# Altium PCB PCB.PcbDoc (part 1 of 2) (continued)
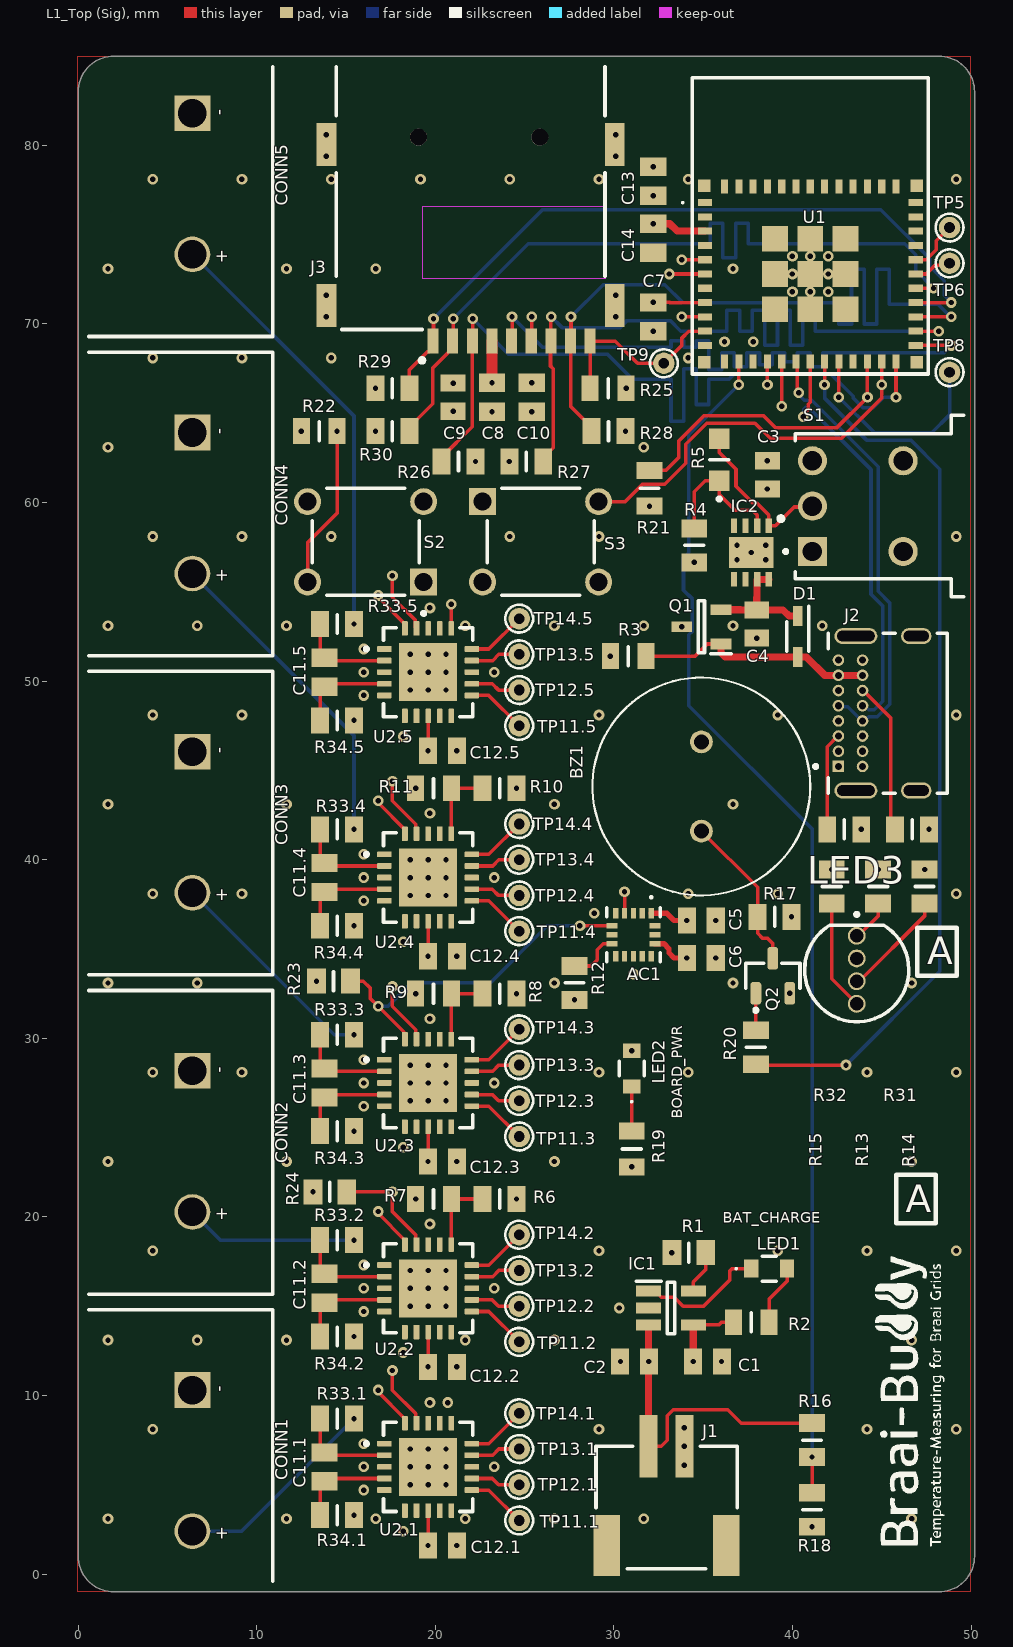
[diagram p0: L1_Top (Sig) view]
## Design rules (kind name [scope] priority, off if disabled: settings)
BoardOutlineClearance [All] p1: gap=0.5 ignorepadtopadclearanceinfootprint=FALSE
Clearance [All] p1: gap=0.2 ignorepadtopadclearanceinfootprint=TRUE
DiffPairsRouting [All] p1: maxlimit=0.2 minlimit=0.127 mostfreqgap=0.127 toplayer_mingap=0.2 toplayer_prefgap=0.2 toplayer_minwidth=0.2 toplayer_maxwidth=0.2 toplayer_prefwidth=0.2 midlayer1_maxgap=0.127 midlayer1_minwidth=0.102 midlayer1_maxwidth=0.102 midlayer1_prefwidth=0.102 midlayer2_maxgap=0.127 midlayer2_minwidth=0.106 midlayer2_maxwidth=0.106 midlayer2_prefwidth=0.106 midlayer3_maxgap=0.127 midlayer3_minwidth=0.106 midlayer3_maxwidth=0.106 midlayer3_prefwidth=0.106 midlayer4_maxgap=0.127 midlayer4_minwidth=0.102 midlayer4_maxwidth=0.102 midlayer4_prefwidth=0.102 bottomlayer_mingap=0.2 bottomlayer_prefgap=0.2 bottomlayer_minwidth=0.2 bottomlayer_maxwidth=0.2 bottomlayer_prefwidth=0.2 impedanceprofiledriven=TRUE impedanceprofileid={3237DE83-E1D8-4AAE-8E44-1EA370374EB8} impedanceprofilevalue=90.000000 maxuncoupledlength=12.7
HoleSize [All] p1: absolutevalues=TRUE maxlimit=2.54 minlimit=0.3 maxpercent=80.000 minpercent=20.000
MatchedLengths [InNetClass('SD Card')] p1: tolerance=5 checknetsindiffpair=FALSE checkdiffpairvsdiffpair=TRUE checkxsignals=TRUE checkothers=TRUE
MinimumSolderMaskSliver [All] p1: minsoldermaskwidth=0.05
PlaneClearance [All] p1: clearance=0.3
PolygonConnect [All] p1: connectstyle=Direct reliefconductorwidth=0.254 reliefentries=4 polygonreliefangle="90 Angle" airgapwidth=0.254
PolygonConnect PolygonConnect_1 [All vs IsNamedPolygon('NONET_L01_P-001')] p2: connectstyle=Relief reliefconductorwidth=0.35 reliefentries=4 polygonreliefangle="90 Angle" airgapwidth=0.254
RoutingVias [All] p1: holewidth=0.3 width=0.6 viastyle="Through Hole" minholewidth=0.3 minwidth=0.6 maxholewidth=1 maxwidth=1.5
SMDEntry [All] p1 off: side=TRUE corner=FALSE anyangle=FALSE
SMDToCorner [All] p1 off: distance=78740
SMDToPlane [All] p1: distance=0
SilkToSilkClearance [All] p1: silktosilkclearance=0
SilkToSolderMaskClearance [IsPad] p1: minsilkscreentomaskgap=0.1 clearancetoexposedcopper=TRUE
SolderMaskExpansion [IsVia] p1: expansion=0.102 istentingtop=TRUE
SolderMaskExpansion SolderMaskExpansion_Pads [All] p2: expansion=0.05 istentingtop=FALSE
SupplyNets "Schematic Supply Nets" [InNet('3.3V')] p1: voltage=0.000
SupplyNets "Schematic Supply Nets_4" [InNet('V_USB')] p2: voltage=0.000
SupplyNets "Schematic Supply Nets_3" [InNet('V_BATT')] p3: voltage=0.000
SupplyNets "Schematic Supply Nets_2" [InNet('GND')] p4: voltage=0.000
Width [All] p1: maxlimit=5 minlimit=0.2 preferedwidth=0.2
24 further rules are at their usual default settings.

## Classes and differential pairs
net class "SD Card": SD_CLK SD_CMD SD_D0 SD_D1 SD_D2 SD_D3
channel class 04.2_Thermocouple_Handling_01: "Temp_Handling_ CH1" "Temp_Handling_ CH2" "Temp_Handling_ CH3" "Temp_Handling_ CH4" "Temp_Handling_ CH5"
component class "Temp_Handling_ CH5": C11.5 C12.5 R33.5 R34.5 TP11.5 TP12.5 TP13.5 TP14.5 U2.5
component class "Temp_Handling_ CH4": C11.4 C12.4 R33.4 R34.4 TP11.4 TP12.4 TP13.4 TP14.4 U2.4
component class "Temp_Handling_ CH3": C11.3 C12.3 R33.3 R34.3 TP11.3 TP12.3 TP13.3 TP14.3 U2.3
component class "Temp_Handling_ CH2": C11.2 C12.2 R33.2 R34.2 TP11.2 TP12.2 TP13.2 TP14.2 U2.2
component class "Temp_Handling_ CH1": C11.1 C12.1 R33.1 R34.1 TP11.1 TP12.1 TP13.1 TP14.1 U2.1
component class "Temperature Sensor Interface": CONN1 CONN2 CONN3 CONN4 CONN5 R6 R7 R8 R9 R10 R11
component class HMI: BZ1 D2 D3 LED2 LED3 Q2 R13 R14 R15 R16 R17 R18 R19 R20
component class "Accelerometer Interface": AC1 C5 C6 R12
component class "Power Management": C1 C2 C3 C4 D1 IC1 IC2 J1 LED1 Q1 R1 R2 R3 R4 R5 S1
component class Microcontroller: C7 C8 C9 C10 C13 C14 J2 J3 R21 R22 R23 R24 R25 R26 R27 R28 R29 R30 R31 R32 S2 S3 TP5 TP6 TP8 TP9 U1
differential pair USB: +USB_P -USB_N

## Components (designator, comment, footprint, x,y, rotation, side; value= is the part's Value field where it differs from the comment)
AC1 "LIS3DHTR" LIS3DHTR 31.1,35.8 r270 top
BZ1 "Buzzer" 3XDCR_PS1240P02CT3 34.9,44.1 r90 top
C1 "10uF" CAPC2012X94N 35.24,11.9 r180 top
C2 "10uF" CAPC2012X94N 31.16,11.9 r0 top
C3 "2.2uF" CAPC2012X135N 38.6,61.55 r270 top
C4 "2.2uF" CAPC2012X135N 38,53.2 r270 top
C5 "10uF" CAPC2012X94N 34.9,36.6 r180 top
C6 "100nF" CAPC2012X94N 34.9,34.5 r180 top
C7 "100nF" CAPC2012X94N 32.2,70.4 r90 top
C8 "100nF" CAPC2012X94N 23.176,65.9 r90 top
C9 "2.2uF" CAPC2012X135N 21,65.9 r270 top
C10 "10uF" CAPC2012X94N 25.4,65.9 r270 top
C11.1 "100nF" CAPC2012X94N 13.8,6 r90 top (schematic designator C11)
C11.2 "100nF" CAPC2012X94N 13.8,16 r90 top (schematic designator C11)
C11.3 "100nF" CAPC2012X94N 13.8,27.5 r90 top (schematic designator C11)
C11.4 "100nF" CAPC2012X94N 13.8,39 r90 top (schematic designator C11)
C11.5 "100nF" CAPC2012X94N 13.8,50.5 r90 top (schematic designator C11)
C12.1 "100nF" CAPC2012X94N 20.4,1.6 r0 top (schematic designator C12)
C12.2 "100nF" CAPC2012X94N 20.4,11.6 r0 top (schematic designator C12)
C12.3 "100nF" CAPC2012X94N 20.4,23.1 r0 top (schematic designator C12)
C12.4 "100nF" CAPC2012X94N 20.4,34.6 r0 top (schematic designator C12)
C12.5 "100nF" CAPC2012X94N 20.4,46.1 r0 top (schematic designator C12)
C13 "10uF" CAPC2012X94N 32.2,77.99 r90 top
C14 "100nF" CAPC2012X94N 32.2,74.8 r90 top
CONN1 "XE-1139-001" "AM-K PCB XE-1139-001" 6.4,10.3 r270 top
CONN2 "XE-1139-001" "AM-K PCB XE-1139-001" 6.4,28.175 r270 top
CONN3 "XE-1139-001" "AM-K PCB XE-1139-001" 6.4,46.05 r270 top
CONN4 "XE-1139-001" "AM-K PCB XE-1139-001" 6.4,63.925 r270 top
CONN5 "XE-1139-001" "AM-K PCB XE-1139-001" 6.4,81.8 r270 top
D1 "DIODE SCHOTTKY 1A 23V 620mV SMD" SOD2512X113N 40.3,52.5 r270 top
IC1 "MCP73831" SOT95P270X145-5N 33.2,14.9 r0 top
IC2 "TPS785-Q1" SON65P300X300X100-9N-D 37.7,57.2 r270 top
J1 "I/O JST-PH 2-PIN SMT" 1769 32.95,7.15 r0 top
J2 "CONN USB-C 2.0 16 CONTACT 5A 42V SMD" CUI_UJ20-C-H-G-SMT-TR 46.6,48.2 r90 top
J3 "MEM2075-00-140-01-A" GCT_MEM2075-00-140-01-A 22.456,80.462 r180 top
LED1 "LED YELLOW 0805 SMD" LYM676Q2S126Z 38.7,17.1 r0 top
LED2 "LED YELLOW 0805 SMD" LYM676Q2S126Z 31,28.3 r90 top
LED3 "LED RGB THP SRAIGHT-LEG" "LED THP Dialight 521-8559F" 43.6,35.74 r0 top
Q1 "MOSFET P-CH ENH FET -20V 52mOh -5A SMD" SOT96P240X115-3N 34.9,53.04 r180 top
Q2 "3904" SOT95P230X110-3N 38.9,33.5 r90 top
R1 "2.2K" RESC2012X70N 34.2,18 r0 top
R2 "4.7K" RESC2012X50N 37.7,14.1 r180 top
R3 "100k" RESC2012X50N 30.8,51.4 r0 top
R4 "200k" RESC2012X60N 34.5,57.6 r270 top
R5 "357k" ERJ6ENF1000V 35.9,62.4 r90 top
R6 "220k" RESC2012X60N 23.6,21 r0 top
R7 "100k" RESC2012X50N 19.9,21 r180 top
R8 "76.8k" RESC2012X60N 23.6,32.5 r0 top
R9 "100k" RESC2012X50N 19.9,32.5 r180 top
R10 "23.2k" RESC2012X60N 23.6,44 r0 top
R11 "100k" RESC2012X50N 19.9,44 r180 top
R12 "10k" RESC2012X60N 27.8,33.1 r270 top
R13 "1k" RESC2012X60N 44.8,38.5 r90 top
R14 "1k" RESC2012X60N 47.4,38.5 r90 top
R15 "1k" RESC2012X60N 42.2,38.5 r90 top
R16 "200k" RESC2012X60N 41.1,7.5 r90 top
R17 "1k" RESC2012X60N 39,36.8 r0 top
R18 "200k" RESC2012X60N 41.1,3.6 r90 top
R19 "4.7K" RESC2012X50N 31,23.8 r90 top
R20 "1k" RESC2012X60N 37.95,29.5 r90 top
R21 "100k" RESC2012X50N 32,60.8 r270 top
R22 "100k" RESC2012X50N 13.5,64 r180 top
R23 "2.2K" RESC2012X70N 14.3,33.2 r180 top
R24 "2.2K" RESC2012X70N 14.1,21.4 r0 top
R25 "100k" RESC2012X50N 29.676,66.4 r0 top
R26 "10k" RESC2012X60N 21.3,62.3 r180 top
R27 "10k" RESC2012X60N 25.1,62.3 r0 top
R28 "10k" RESC2012X60N 29.7,64 r180 top
R29 "10k" RESC2012X60N 17.6,66.4 r0 top
R30 "10k" RESC2012X60N 17.6,64 r0 top
R31 "5.1k" RESC2012X60N 46.7,41.7 r180 top
R32 "5.1k" RESC2012X60N 42.9,41.7 r180 top
R33.1 "100" RESC2012X60N 14.5,8.7 r180 top (schematic designator R33)
R33.2 "100" RESC2012X60N 14.5,18.7 r180 top (schematic designator R33)
R33.3 "100" RESC2012X60N 14.5,30.2 r180 top (schematic designator R33)
R33.4 "100" RESC2012X60N 14.5,41.7 r180 top (schematic designator R33)
R33.5 "100" RESC2012X60N 14.5,53.2 r180 top (schematic designator R33)
R34.1 "100" RESC2012X60N 14.5,3.3 r180 top (schematic designator R34)
R34.2 "100" RESC2012X60N 14.5,13.3 r180 top (schematic designator R34)
R34.3 "100" RESC2012X60N 14.5,24.8 r180 top (schematic designator R34)
R34.4 "100" RESC2012X60N 14.5,36.3 r180 top (schematic designator R34)
R34.5 "100" RESC2012X60N 14.5,47.8 r180 top (schematic designator R34)
S1 "SWITCH SPDT 3A 120V" SW_500ASSP1M6QE 46.2,59.8 r90 top
S2 "BUTT PUSH N/O SPST THP 50mA" SW_TS02-66-43-BK-100-LCR-D 16.1,57.8 r180 top
S3 "BUTT PUSH N/O SPST THP 50mA" SW_TS02-66-43-BK-100-LCR-D 25.9,57.8 r0 top
TP5 "" TP_Pad_TH_1.2P_0.6H 48.8,75.4 r90 top
TP6 "" TP_Pad_TH_1.2P_0.6H 48.8,73.4 r90 top
TP8 "" TP_Pad_TH_1.2P_0.6H 48.8,67.3 r90 top
TP9 "" TP_Pad_TH_1.2P_0.6H 32.8,67.8 r90 top
TP11.1 "" TP_Pad_TH_1.2P_0.6H 24.7,3 r90 top (schematic designator TP11)
TP11.2 "" TP_Pad_TH_1.2P_0.6H 24.7,13 r90 top (schematic designator TP11)
TP11.3 "" TP_Pad_TH_1.2P_0.6H 24.7,24.5 r90 top (schematic designator TP11)
TP11.4 "" TP_Pad_TH_1.2P_0.6H 24.7,36 r90 top (schematic designator TP11)
TP11.5 "" TP_Pad_TH_1.2P_0.6H 24.7,47.5 r90 top (schematic designator TP11)
TP12.1 "" TP_Pad_TH_1.2P_0.6H 24.7,5 r0 top (schematic designator TP12)
TP12.2 "" TP_Pad_TH_1.2P_0.6H 24.7,15 r0 top (schematic designator TP12)
TP12.3 "" TP_Pad_TH_1.2P_0.6H 24.7,26.5 r0 top (schematic designator TP12)
TP12.4 "" TP_Pad_TH_1.2P_0.6H 24.7,38 r0 top (schematic designator TP12)
TP12.5 "" TP_Pad_TH_1.2P_0.6H 24.7,49.5 r0 top (schematic designator TP12)
TP13.1 "" TP_Pad_TH_1.2P_0.6H 24.7,7 r90 top (schematic designator TP13)
TP13.2 "" TP_Pad_TH_1.2P_0.6H 24.7,17 r90 top (schematic designator TP13)
TP13.3 "" TP_Pad_TH_1.2P_0.6H 24.7,28.5 r90 top (schematic designator TP13)
TP13.4 "" TP_Pad_TH_1.2P_0.6H 24.7,40 r90 top (schematic designator TP13)
TP13.5 "" TP_Pad_TH_1.2P_0.6H 24.7,51.5 r90 top (schematic designator TP13)
TP14.1 "" TP_Pad_TH_1.2P_0.6H 24.7,9 r90 top (schematic designator TP14)
TP14.2 "" TP_Pad_TH_1.2P_0.6H 24.7,19 r90 top (schematic designator TP14)
TP14.3 "" TP_Pad_TH_1.2P_0.6H 24.7,30.5 r90 top (schematic designator TP14)
TP14.4 "" TP_Pad_TH_1.2P_0.6H 24.7,42 r90 top (schematic designator TP14)
TP14.5 "" TP_Pad_TH_1.2P_0.6H 24.7,53.5 r90 top (schematic designator TP14)
U1 "ESP32-C6-MINI-1" ESP32C6MINI1H8 41,75.5 r0 top
U2.1 "MCP9600" QFN65P500X500X100-21N 19.6,6 r0 top (schematic designator U2)
U2.2 "MCP9600" QFN65P500X500X100-21N 19.6,16 r0 top (schematic designator U2)
U2.3 "MCP9600" QFN65P500X500X100-21N 19.6,27.5 r0 top (schematic designator U2)
U2.4 "MCP9600" QFN65P500X500X100-21N 19.6,39 r0 top (schematic designator U2)
U2.5 "MCP9600" QFN65P500X500X100-21N 19.6,50.5 r0 top (schematic designator U2)

## Footprints (in the part's own frame and the unit in brackets; to place one, negate y for a bottom-side part, rotate by r counter-clockwise, add the part's x,y. Pads: shape width x height; smd on the part's side, far side on the other; paste and mask are expansions set on the pad)
3XDCR_PS1240P02CT3 [mm]
  round 1.28 hole 0.85: 1(-2.5,0) 2(2.5,0)
  silkscreen extent -6.1,-6.1 6.1,6.1, body extent -6.07,-6.09 6.13,6.11, height 3.5
1769 [mm]
  rect 1x3.5 smd: 1(-1,0) 2(1,0)
  rect 1.5x3.4 smd: 3(-3.35,-5.55) 4(3.35,-5.55)
  silkscreen extent -3.95,-6.85 3.95,0, body extent -3.95,-7.07 3.95,1.53, height 4.8
"AM-K PCB XE-1139-001" [mm]
  rect 2x2 hole 1.6: 1(0,0)
  round 2 hole 1.6: 2(7.9,0)
  silkscreen extent -4.5,-5.8 10.7,4.5, body extent -4.4,-16.26 12.2,4.25, height 8
CAPC2012X94N [mm]
  rect 1.02x1.47 smd: 1(-0.81,0) 2(0.81,0)
  body extent -1,-0.63 1,0.63, height 0.94
CAPC2012X135N [mm]
  rect 0.96x1.39 smd: 1(-0.79,0) 2(0.79,0)
  body extent -1,-0.63 1,0.63, height 1.35
CUI_UJ20-C-H-G-SMT-TR [mm]
  rect 0.65x0.65 / inner round 0.65 / far side rect 0.65x0.65 hole 0.4: A1(-2.975,4.025)
  round 0.65 hole 0.4: A4(-2.125,4.025) A5(-1.275,4.025) A6(-0.425,4.025) A7(0.425,4.025) A8(1.275,4.025) A9(2.125,4.025) A12(2.975,4.025) B1(2.975,2.675) B4(2.125,2.675) B5(1.275,2.675) B6(0.425,2.675) B7(-0.425,2.675) B8(-1.275,2.675) B9(-2.125,2.675) B12(-2.975,2.675)
  oval 0.9x1.7 hole 0.6 slot 1.4 at 90 deg: SH1(-4.325,-0.335) SH2(4.325,-0.335)
  oval 0.9x2.4 hole 0.6 slot 2.1 at 90 deg: SH3(-4.325,3.045) SH4(4.325,3.045)
  silkscreen extent -4.48,-2.07 4.48,5.4, body extent -4.51,-4.57 4.51,4.6, height 3.46
ERJ6ENF1000V [mm]
  rect 1.15x1.15 smd: 1(-1.175,0) 2(1.175,0)
  silkscreen extent -2.3,-0.53 0,0.53, body extent -1,-0.63 1,0.63, height 0.6
ESP32C6MINI1H8 [mm]
  rect 0.7x0.7 smd: 1(-5.95,-7.65) 1(-5.95,2.25) 1(5.95,-7.65) 1(5.95,2.25)
  rect 0.8x0.4 smd: 1(-5.9,-6.7) 1(-5.9,0.5) 1(-5.9,1.3) 3(-5.9,-0.3) 4(-5.9,-1.1) 5(-5.9,-1.9) 6(-5.9,-2.7) 7(-5.9,-3.5) 8(-5.9,-4.3) 9(-5.9,-5.1) 10(-5.9,-5.9) 25(5.9,-6.7) 26(5.9,-5.9) 27(5.9,-5.1) 28(5.9,-4.3) 29(5.9,-3.5) 30(5.9,-2.7) 31(5.9,-1.9) 32(5.9,-1.1) 33(5.9,-0.3) 34(5.9,0.5) 35(5.9,1.3)
  rect 0.4x0.8 smd: 1(-4.8,2.2) 1(-4,2.2) 1(-3.2,-7.6) 1(-3.2,2.2) 1(-2.4,2.2) 1(-1.6,2.2) 1(-0.8,2.2) 1(0,2.2) 1(0.8,2.2) 1(1.6,2.2) 1(2.4,2.2) 1(3.2,2.2) 1(4,2.2) 1(4.8,2.2) 12(-4.8,-7.6) 13(-4,-7.6) 15(-2.4,-7.6) 16(-1.6,-7.6) 17(-0.8,-7.6) 18(0,-7.6) 19(0.8,-7.6) 20(1.6,-7.6) 21(2.4,-7.6) 22(3.2,-7.6) 23(4,-7.6) 24(4.8,-7.6)
  rect 1.45x1.45 smd: 1(-1.975,-4.675) 1(-1.975,-2.7) 1(-1.975,-0.725) 1(0,-4.675) 1(0,-2.7) 1(0,-0.725) 1(1.975,-4.675) 1(1.975,-2.7) 1(1.975,-0.725)
  silkscreen extent -7.2,-8.3 6.6,8.3, body extent -6.6,-8.3 6.6,8.3, height 2.55
GCT_MEM2075-00-140-01-A [mm]
  rect 0.62x1.4 smd: P1(2.58,11.42) P2(1.48,11.42) P3(0.38,11.42) P4(-0.72,11.42) P5(-1.82,11.42) P6(-2.92,11.42) P7(-4.02,11.42) P8(-5.12,11.42) P9(-6.22,11.42)
  rect 1.1x2.4 smd: SH1(-7.6,0.42) SH2(-7.6,9.42) SH3(8.55,9.42) SH4(8.55,0.42)
  round 0.95 hole 0.95 unplated: ""(-3.4,0) ""(3.4,0)
  Keep-Out Layer region: 3.15,3.87 -7.05,3.87 -7.05,7.92 3.15,7.92
  silkscreen extent -7.05,-3.94 8,12.62, body extent -7.74,-4.25 8.7,11.6, height 1.45
"LED THP Dialight 521-8559F" [mm]
  round 1 hole 0.75 paste-2539.97 mask+0: 1(0,0) 2(0,-1.27) 3(0,-2.54) 4(0,-3.81)
  silkscreen extent -2.92,-4.81 2.92,1.3, body extent -0.25,-6.4 17.35,2.14, height 16.26
LIS3DHTR [mm]
  rect 0.6x0.3 smd: 1(-1.2,1) 2(-1.2,0.5) 3(-1.2,0) 4(-1.2,-0.5) 5(-1.2,-1) 9(1.2,-1) 10(1.2,-0.5) 11(1.2,0) 12(1.2,0.5) 13(1.2,1)
  rect 0.3x0.6 smd: 6(-0.5,-1.2) 7(0,-1.2) 8(0.5,-1.2) 14(0.5,1.2) 15(0,1.2) 16(-0.5,1.2)
  silkscreen extent -2.16,-1.5 1.5,1.5, body extent -1.5,-1.5 1.5,1.5, height 1
LYM676Q2S126Z [mm]
  rect 0.8x1 smd: 1(-1,0) 2(1,0)
  silkscreen extent -1.9,-0.7 0.4,0.7, body extent -1,-0.7 1,0.7, height 1.5
QFN65P500X500X100-21N [mm]
  rrect25% 0.81x0.32 smd: 1(-2.45,1.3) 2(-2.45,0.65) 3(-2.45,0) 4(-2.45,-0.65) 5(-2.45,-1.3) 11(2.45,-1.3) 12(2.45,-0.65) 13(2.45,0) 14(2.45,0.65) 15(2.45,1.3)
  rrect25% 0.32x0.81 smd: 6(-1.3,-2.45) 7(-0.65,-2.45) 8(0,-2.45) 9(0.65,-2.45) 10(1.3,-2.45) 16(1.3,2.45) 17(0.65,2.45) 18(0,2.45) 19(-0.65,2.45) 20(-1.3,2.45)
  round 0.5 hole 0.3: 21(-1,-1) 21(-1,0) 21(-1,1) 21(0,-1) 21(0,0) 21(0,1) 21(1,-1) 21(1,0) 21(1,1)
  rect 3.25x3.25 smd paste-3: 21(0,0)
  silkscreen extent -3.56,-2.5 2.5,2.5, body extent -2.55,-2.55 2.55,2.55, height 1
RESC2012X50N [mm]
  rect 0.95x1.45 smd: 1(-1,0) 2(1,0)
  silkscreen extent 0,-0.53 0,0.52, body extent -1,-0.62 1,0.63, height 0.45
RESC2012X60N [mm]
  rect 1x1.45 smd: 1(-0.95,0) 2(0.95,0)
  silkscreen extent 0,-0.53 0,0.53, body extent -1,-0.63 1,0.63, height 0.5
RESC2012X70N [mm]
  rect 1.05x1.4 smd: 1(-0.95,0) 2(0.95,0)
  silkscreen extent 0,-0.53 0,0.52, body extent -1,-0.63 1,0.63, height 0.7
SOD2512X113N [mm]
  rect 1.11x0.55 smd: 1(-1.14,0) 2(1.14,0)
  silkscreen extent -1.7,-0.61 0.83,0.61, body extent -1.25,-0.62 1.25,0.62, height 1.13
SON65P300X300X100-9N-D [mm]
  rect 0.8x0.35 smd: 1(-1.5,0.975) 2(-1.5,0.325) 3(-1.5,-0.325) 4(-1.5,-0.975) 5(1.5,-0.975) 6(1.5,-0.325) 7(1.5,0.325) 8(1.5,0.975)
  rect 1.75x2.5 smd: 9(0,0)
  silkscreen extent -2.02,1.53 -1.78,1.78, body extent -1.55,-1.5 1.55,1.5, height 1
SOT95P230X110-3N [mm]
  rrect50% 1.26x0.61 smd: B(-0.98,0.95) C(0.98,0) E(-0.98,-0.95)
  silkscreen extent -2.03,-1.53 0.7,1.53, body extent -1.2,-1.46 1.2,1.46, height 1.2
SOT95P270X145-5N [mm]
  rect 1.4x0.6 smd: 1(-1.25,0.95) 2(-1.25,0) 3(-1.25,-0.95) 4(1.25,-0.95) 5(1.25,0.95)
  silkscreen extent -1.95,-1.45 0.2,1.5, body extent -1.35,-1.45 1.35,1.45, height 1.45
SOT96P240X115-3N [mm]
  rect 1.15x0.6 smd: 1(-1.1,0.96) 2(-1.1,-0.96) 3(1.1,0)
  silkscreen extent -1.67,-1.45 0.18,1.51, body extent -1.2,-1.45 1.2,1.45, height 1.15
SW_500ASSP1M6QE [mm]
  rect 1.635x1.635 hole 1.09: 1(-2.54,5.08)
  round 1.635 hole 1.09: 2(0,5.08) 3(2.54,5.08) S1(-2.54,0) S2(2.54,0)
  silkscreen extent -5.08,-3.4 5.08,6.68, body extent -5.08,-8.05 5.08,6.05, height 5.59
SW_TS02-66-43-BK-100-LCR-D [mm]
  rect 1.508x1.508 / inner round 1.508 / far side rect 1.508x1.508 hole 1: 1(-3.25,2.25)
  round 1.508 hole 1: 2(3.25,2.25) 3(-3.25,-2.25) 4(3.25,-2.25)
  silkscreen extent -3.35,-3 3,4.1, body extent -3.95,-3 3.95,3, height 4.3
TP_Pad_TH_1.2P_0.6H [mm]
  round 1.2 hole 0.6 paste-2539.97 mask+0: TP(0,0)
  silkscreen extent -0.78,-0.78 0.78,0.78

## Part data
AC1: library part "IC ACC MEMS 3-AXIS 11uA SMD", "Accelerometer", ComponentLink1Description=Datasheet, ComponentLink1URL=https://www.mouser.co.za/datasheet/2/389/lis3dh-1849589.pdf, Manufacturer_Part_Number=LIS3DHTR
BZ1: library part "INDICATOR BUZZER PIEZO PS1240P02CT3", "Buzzers Transducer, Externally Driven Piezo 3V 4kHz 60dB @ 3V, 10cm Through Hole PC Pins", Manufacturer_Part_Number=PS1240P02CT3, ComponentLink1Description=Datasheet, ComponentLink1URL=https://product.tdk.com/system/files/dam/doc/product/sw_piezo/sw_piezo/piezo-buzzer/catalog/piezoelectronic_buzzer_ps_en.pdf
C1 C2 C5 C10 C13: library part "CAP CER 10uF 0805 SMD", "Capacitor", Manufacturer_Part_Number=CL21A106KOQNNNE, ComponentLink1Description=Datasheet, ComponentLink1URL=https://www.mouser.co.za/datasheet/2/585/MLCC-1837944.pdf
C3 C4 C9: library part "CAP CER 2u2F 0805 SMD", "Capacitor", Manufacturer_Part_Number=LMK212BJ225MG-T
C6 C7 C8 C11.1 C11.2 C11.3 C11.4 C11.5 C12.1 C12.2 C12.3 C12.4 C12.5 C14: library part "CAP CER 100nF 0805 SMD", "Capacitor", Manufacturer_Part_Number=08055C104KAZ2A, ComponentLink1Description=Datasheet, ComponentLink1URL=http://datasheets.avx.com/X7RDielectric.pdf
CONN1 CONN2 CONN3 CONN4 CONN5: library part "CONN AM-K-PCB XE-1139-001", "Thermocouple Type-K Connector", ComponentLink1Description=Datasheet, ComponentLink1URL=https://mm.digikey.com/Volume0/opasdata/d220001/medias/docus/6465/XE-1139-001.pdf, Manufacturer_Part_Number=XE-1139-001, Supplier=DigiKey
D1: "Diode", Manufacturer_Part_Number=BAT20JFILM, ComponentLink1Description=Datasheet, ComponentLink1URL=http://www.st.com/web/en/resource/technical/document/datasheet/CD00012201.pdf
IC1: library part "IC BATT CHG MGNT Li-Po 4V2 REG SMD", "Integrated Circuit", Manufacturer_Part_Number=MCP73831T-2ACI/OT, ComponentLink1Description=Datasheet, ComponentLink1URL=http://ww1.microchip.com/downloads/en/DeviceDoc/20001984g.pdf
IC2: library part "IC LDO 1A 5V5 ADJ SMD SON-8", "LDO Voltage Regulators Automotive 1-A high -accuracy adjustable", Manufacturer_Part_Number=TPS78501QWDRBRQ1, ComponentLink1Description=Datasheet, ComponentLink1URL=https://www.ti.com/lit/gpn/TPS785-Q1
J1: "Connector", Manufacturer_Part_Number=1769
J2: "USB Connectors Type C,2.0, Horizontal, Gold plated 3u, Mid Surface Mount 1.0mm, 16 pin, T&R", Manufacturer_Part_Number=UJ20-C-H-G-SMT-TR, ComponentLink1Description=Datasheet, ComponentLink1URL=https://www.sameskydevices.com/product/resource/uj20-c-h-g-smt-tr.pdf
J3: library part "SD CARD SOCKET SMD MEM2075-00-140-01-A", "9 (8 + 1) Position Card Connector microSD Surface Mount, Right Angle Gold", ComponentLink1Description=Datasheet, ComponentLink1URL=https://www.mouser.co.za/datasheet/2/837/MEM2075-2887971.pdf, Manufacturer_Part_Number=MEM2075-00-140-01-A
LED1 LED2: "Single Colour LED Yellow 20mA", Manufacturer_Part_Number="LY M676-Q2S1-26-Z", ComponentLink1Description=Datasheet, ComponentLink1URL=https://www.mouser.com/datasheet/2/588/Osram_7222021_LY__M676_EN-2891431.pdf
LED3: "RGB LED Dialight 521-8559F", Manufacturer_Part_Number=521-8559F, ComponentLink1Description=Datasheet, ComponentLink1URL=https://www.mouser.co.za/datasheet/2/109/C18455B-1843429.pdf
Q1: "MOSFET (P-Channel)", Manufacturer_Part_Number=DMG2305UX-7, ComponentLink1Description=Datasheet, ComponentLink1URL=https://www.diodes.com/assets/Datasheets/DMG2305UX.pdf
Q2: library part "BJT NPN 3904 SMD SOT-23", "NPN SMALL SIGNAL SURFACE MOUNT TRANSISTOR", Manufacturer_Part_Number=MMBT3904
R1 R23 R24: library part "RES 2.2K 0805 SMD", "Resistor", Manufacturer_Part_Number=ERJ-PB6B2201V
R2 R19: library part "RES 4.7K 0805 SMD", "Resistor", Manufacturer_Part_Number=CRCW08054K70FKEA
R3 R7 R9 R11 R21 R22 R25: library part "RES 100K 0805 SMD", "Resistor", Manufacturer_Part_Number=CRCW0805100KJNECC
R4 R16 R18: library part "RES 200K 0805 SMD", "Resistor", Manufacturer_Part_Number=SG73P2ATTD2003F
R5: library part "RES 357K 0805 SMD", "Resistor", Manufacturer_Part_Number=ERJ-6ENF3573V, ComponentLink1Description=Datasheet, ComponentLink1URL=https://industrial.panasonic.com/cdbs/www-data/pdf/RDA0000/AOA0000C84.pdf
R6: library part "RES 220K 0805 SMD", "Resistor", Manufacturer_Part_Number=CR0805-FX-2203ELF
R8: library part "RES 76.8K 0805 SMD", "Resistor", Manufacturer_Part_Number=RC0805FR-0776K8L, ComponentLink1Description=Datasheet, ComponentLink1URL=https://industrial.panasonic.com/cdbs/www-data/pdf/RDA0000/AOA0000C84.pdf
R10: library part "RES 23.2K 0805 SMD", "Resistor", Manufacturer_Part_Number=RC0805FR-0723K2L, ComponentLink1Description=Datasheet, ComponentLink1URL=https://industrial.panasonic.com/cdbs/www-data/pdf/RDA0000/AOA0000C84.pdf
R12 R26 R27 R28 R29 R30: library part "RES 10K 0805 SMD", "Resistor", Manufacturer_Part_Number=CR0805-FX-1002ELF
R13 R14 R15 R17 R20: library part "RES 1K 0805 SMD", "Resistor", Manufacturer_Part_Number=RC0805JR-071KL
R31 R32: library part "RES 5.1K 0805 SMD", "Resistor", Manufacturer_Part_Number=RC0805JR-075K1L, ComponentLink1Description=Datasheet, ComponentLink1URL=https://industrial.panasonic.com/cdbs/www-data/pdf/RDA0000/AOA0000C84.pdf
R33.1 R33.2 R33.3 R33.4 R33.5 R34.1 R34.2 R34.3 R34.4 R34.5: library part "RES 100 0805 SMD", "Resistor", Manufacturer_Part_Number=1623096-1
S1: Manufacturer_Part_Number=500ASSP1M6QE
S2 S3: "6 x 6 mm, 4.3 mm Actuator Height, 100 gf, Black, Long Crimped, Through Hole, SPST, Tactile Switch", Manufacturer_Part_Number=TS02-66-43-BK-100-LCR-D
TP5 TP6 TP8 TP9 TP11.1 TP11.2 TP11.3 TP11.4 TP11.5 TP12.1 TP12.2 TP12.3 TP12.4 TP12.5 TP13.1 TP13.2 TP13.3 TP13.4 TP13.5 TP14.1 TP14.2 TP14.3 TP14.4 TP14.5: library part "TP 1.5mm PAD", "TP 1.5mm PAD"
U1: Manufacturer_Part_Number=ESP32-C6-MINI-1-H8, ComponentLink1Description=Datasheet, ComponentLink1URL=https://www.mouser.com/catalog/specsheets/Espressif_Systems_esp32-c6-mini-1_mini-1u_datasheet_en.pdf?_gl=1*7278yr*_gcl_aw*R0NMLjE3Mzk0MzM2MTQuQ2p3S0NBaUFxckc5QmhBVkVpd0FhUHU1emlsTWRuRXdaa2Fsd2VWNEN5MzNjMjVBX1BkRDhocTJZbnRtek0tckw4Q0pVVXJTcmNRbGdob0NCcXNRQXZEX0J3RQ..*_gcl_au*ODgyNzE3NTQxLjE3NDEwOTkzMzU.*_ga*MjEzMDEzNzc2Mi4xNzMzMzA0NDkw*_ga_15W4STQT4T*MTc0MTUxNTkxNS42MC4xLjE3NDE1MTgwNDEuMzcuMC4w
U2.1 U2.2 U2.3 U2.4 U2.5: library part "IC TYPE_K AMP I2Q MCP9600-I/MX SMD", "MCP9600 Series Thermocouple Electromotive Force to Â±1.5Â°C Converter - VQFN-2", Manufacturer_Part_Number=MCP9600-E/MX, ComponentLink1Description=Datasheet, ComponentLink1URL=https://www.mouser.co.za/datasheet/2/268/MCP960X_L0X_RL0X_Thermocouple_EMF_to_Temperature_C-3443378.pdf

## Via types
v1: diameter 0.6, hole 0.3, L1_Top (Sig) to L6_Bottom (Sig), tented both sides, 257 vias

## Nets (pads, with @x,y where several pads share a name; then routed paths per layer and width w, separated by ;. In a path a pad name is that pad's centre, name@x,y a point inside that pad or via, vN(x,y) a via of type N, cw(c..) or ccw(c..) an arc to the next point about the centre after c; other vN are vias at no path point)
3.3V: AC1.1 AC1.14 BZ1.2 C3.1 C5.2 C6.2 C8.2 C9.1 C10.1 C12.1.1 C12.2.1 C12.3.1 C12.4.1 C12.5.1 C13.1 C14.2 J3.P4 LED2.2 R6.2 R8.2 R10.2 R12.2 R17.2 R21.2 R22.2 R23.2 R24.1 R25.2 R26.1 R27.1 R28.1 R29.1 R30.1 S1.3 U1.3 U2.1.8 U2.2.8 U2.3.8 U2.4.8 U2.5.8 U2.5.16 | length 21.2
  L1_Top (Sig) w0.2: v1(19.59,1.6) 19.6,1.61 U2.1.8@19.6,3.6 ; v1(19.59,11.6) 19.6,11.61 U2.2.8@19.6,13.6 ; v1(19.59,23.1) 19.6,23.11 U2.3.8@19.6,25.1 ; v1(19.59,34.6) 19.6,34.61 U2.4.8@19.6,36.6 ; v1(19.59,46.1) 19.6,46.11 U2.5.8@19.6,48.1 ; U2.5.16@20.9,52.95 v1(20.9,54.3)
  L1_Top (Sig) w0.3: AC1.1@32.1,37 32.98,37 33.38,36.6 v1(34.09,36.6) ; AC1.14@32.3,35.3 32.8,35.3 33.09,35.01 33.09,34.79 33.38,34.5 v1(34.09,34.5)
  L1_Top (Sig) w0.4: v1(32.2,75.61) 33.135,75.61 33.545,75.2 U1.3@35.1,75.2
  L1_Top (Sig) w0.6: v1(23.176,66.71) J3.P4@23.176,69.042
  other v1: 24.55,21 13.15,21.4 31,29.3 27.8,32.15 24.55,32.5 13.35,33.2 39.95,36.8 24.55,44 32,59.8 22.25,62.3 24.15,62.3 38.6,62.34 12.5,64 16.65,64 30.65,64 16.65,66.4 30.7,66.4 21,66.69 25.4,66.71 32.2,77.18
ALERT1.1: TP11.1.TP U2.1.11 | length 3.4
  L1_Top (Sig) w0.2: U2.1.11@22.05,4.7 23,4.7 TP11.1.TP@24.7,3
ALERT1.2: TP11.2.TP U2.2.11 | length 3.4
  L1_Top (Sig) w0.2: U2.2.11@22.05,14.7 23,14.7 TP11.2.TP@24.7,13
ALERT1.3: TP11.3.TP U2.3.11 | length 3.4
  L1_Top (Sig) w0.2: U2.3.11@22.05,26.2 23,26.2 TP11.3.TP@24.7,24.5
ALERT1.4: TP11.4.TP U2.4.11 | length 3.4
  L1_Top (Sig) w0.2: U2.4.11@22.05,37.7 23,37.7 TP11.4.TP@24.7,36
ALERT1.5: TP11.5.TP U2.5.11 | length 3.4
  L1_Top (Sig) w0.2: U2.5.11@22.05,49.2 23,49.2 TP11.5.TP@24.7,47.5
ALERT2.1: TP12.1.TP U2.1.12 | length 2.8
  L1_Top (Sig) w0.2: U2.1.12@22.05,5.35 23.194,5.35 23.544,5 TP12.1.TP@24.7,5
ALERT2.2: TP12.2.TP U2.2.12 | length 2.8
  L1_Top (Sig) w0.2: U2.2.12@22.05,15.35 23.194,15.35 23.544,15 TP12.2.TP@24.7,15
ALERT2.3: TP12.3.TP U2.3.12 | length 2.8
  L1_Top (Sig) w0.2: U2.3.12@22.05,26.85 23.194,26.85 23.544,26.5 TP12.3.TP@24.7,26.5
ALERT2.4: TP12.4.TP U2.4.12 | length 2.8
  L1_Top (Sig) w0.2: U2.4.12@22.05,38.35 23.194,38.35 23.544,38 TP12.4.TP@24.7,38
ALERT2.5: TP12.5.TP U2.5.12 | length 2.8
  L1_Top (Sig) w0.2: U2.5.12@22.05,49.85 23.194,49.85 23.544,49.5 TP12.5.TP@24.7,49.5
ALERT3.1: TP13.1.TP U2.1.14 | length 2.8
  L1_Top (Sig) w0.2: U2.1.14@22.05,6.65 23.211,6.65 23.561,7 TP13.1.TP@24.7,7
ALERT3.2: TP13.2.TP U2.2.14 | length 2.8
  L1_Top (Sig) w0.2: U2.2.14@22.05,16.65 23.211,16.65 23.561,17 TP13.2.TP@24.7,17
ALERT3.3: TP13.3.TP U2.3.14 | length 2.8
  L1_Top (Sig) w0.2: U2.3.14@22.05,28.15 23.211,28.15 23.561,28.5 TP13.3.TP@24.7,28.5
ALERT3.4: TP13.4.TP U2.4.14 | length 2.8
  L1_Top (Sig) w0.2: U2.4.14@22.05,39.65 23.211,39.65 23.561,40 TP13.4.TP@24.7,40
ALERT3.5: TP13.5.TP U2.5.14 | length 2.8
  L1_Top (Sig) w0.2: U2.5.14@22.05,51.15 23.211,51.15 23.561,51.5 TP13.5.TP@24.7,51.5
ALERT4.1: TP14.1.TP U2.1.15 | length 3.4
  L1_Top (Sig) w0.2: U2.1.15@22.05,7.3 23,7.3 TP14.1.TP@24.7,9
ALERT4.2: TP14.2.TP U2.2.15 | length 3.4
  L1_Top (Sig) w0.2: U2.2.15@22.05,17.3 23,17.3 TP14.2.TP@24.7,19
ALERT4.3: TP14.3.TP U2.3.15 | length 3.4
  L1_Top (Sig) w0.2: U2.3.15@22.05,28.8 23,28.8 TP14.3.TP@24.7,30.5
ALERT4.4: TP14.4.TP U2.4.15 | length 3.4
  L1_Top (Sig) w0.2: U2.4.15@22.05,40.3 23,40.3 TP14.4.TP@24.7,42
ALERT4.5: TP14.5.TP U2.5.15 | length 3.4
  L1_Top (Sig) w0.2: U2.5.15@22.05,51.8 23,51.8 TP14.5.TP@24.7,53.5
EN: C7.2 R22.1 S2.2 U1.8 | length 33.4
  L1_Top (Sig) w0.2: S2.2@12.85,55.55 12.85,57.75 14.5,59.4 v1(14.5,64) ; v1(32.2,71.21) 33.135,71.21 33.145,71.2 U1.8@35.1,71.2
  L4 (Sig) w0.2: v1(14.5,64) 16.3,65.8 19.261,65.8 23.013,69.551 29.283,69.551 29.4,69.668 29.4,70.883 29.517,71 30.349,71 30.559,71.21 v1(32.2,71.21)
GND: AC1.5 AC1.7 AC1.10 AC1.12 C1.1 C2.1 C3.2 C4.2 C5.1 C6.1 C7.1 C8.1 C9.2 C10.2 C12.1.2 C12.2.2 C12.3.2 C12.4.2 C12.5.2 C13.2 C14.1 IC1.2 IC2.5 IC2.9 J1.2 J2.A1 J2.A12 J2.B1 J2.B12 J2.SH1 J2.SH2 J2.SH3 J2.SH4 J3.P6 J3.SH1 J3.SH2 J3.SH3 J3.SH4 LED3.2 Q2.E R1.1 R3.1 R4.2 R7.2 R9.2 R11.2 R18.1 R19.1 R31.1 R32.1 S2.4 S3.4 U1.1 U2.1.1 U2.1.3 U2.1.5 U2.1.6 U2.1.7 U2.1.9 U2.1.10 U2.1.13 U2.1.16 U2.1.17 U2.1.18 U2.1.21 U2.2.1 U2.2.3 U2.2.5 U2.2.6 U2.2.7 U2.2.9 U2.2.10 U2.2.13 U2.2.17 U2.2.18 U2.2.21 U2.3.1 U2.3.3 U2.3.5 U2.3.6 U2.3.7 U2.3.9 U2.3.10 U2.3.13 U2.3.17 U2.3.18 U2.3.21 U2.4.1 U2.4.3 U2.4.5 U2.4.6 U2.4.7 U2.4.9 U2.4.10 U2.4.13 U2.4.17 U2.4.18 U2.4.21 U2.5.1 U2.5.3 U2.5.5 U2.5.6 U2.5.7 U2.5.9 U2.5.10 U2.5.13 U2.5.17 U2.5.18 U2.5.21 | length 1.4
  L1_Top (Sig) w0.2: J3.P6@25.376,69.042 25.4,69.066 v1(25.4,70.4)
  other v1: 21.21,1.6 18.2,2.4 41.1,2.65 1.672,3.1 11.672,3.1 16.672,3.1 21.672,3.1 26.672,3.1 31.672,3.1 46.672,3.1 16,4.7 16,6 23.3,6 33.95,6.1 33.95,7.15 16,7.3 4.172,8.1 29.172,8.1 44.172,8.1 49.172,8.1 33.95,8.2 19.7,9.6 20.7,9.6 21.21,11.6 30.37,11.9 36.03,11.9 18.2,12.4 1.672,13.1 6.672,13.1 11.672,13.1 21.672,13.1 26.672,13.1 46.672,13.1 16,14.7 30.3,14.9 16,16 23.3,16 16,17.3 33.25,18 4.172,18.1 29.172,18.1 39.172,18.1 44.172,18.1 49.172,18.1 19.7,19.6 18.9,21 31,22.8 1.672,23.1 11.672,23.1 21.21,23.1 26.672,23.1 46.672,23.1 18.2,23.9 16,26.2 16,27.5 23.3,27.5 4.172,28.1 9.172,28.1 29.172,28.1 34.172,28.1 44.172,28.1 49.172,28.1 16,28.8 19.7,31.1 18.9,32.5 39.85,32.52 1.672,33.1 6.672,33.1 26.672,33.1 36.672,33.1 46.672,33.1 31.1,33.6 35.71,34.5 21.21,34.6 18.2,35.4 35.71,36.6 28.9,37 16,37.7 4.172,38.1 9.172,38.1 34.172,38.1 39.172,38.1 49.172,38.1 16,39 23.3,39 16,40.3 43.85,41.7 47.65,41.7 19.7,42.6 1.672,43.1 11.672,43.1 26.672,43.1 36.672,43.1 18.9,44 21.21,46.1 18.2,46.9 4.172,48.1 9.172,48.1 29.172,48.1 39.172,48.1 49.172,48.1 16,49.2 16,50.5 23.3,50.5 29.8,51.4 16,51.8 38,52.41 1.672,53.1 6.672,53.1 11.672,53.1 21.672,53.1 26.672,53.1 31.672,53.1 36.672,53.1 41.672,53.1 19.7,54.1 34.5,56.65 36.9,56.8 38.5,56.8 37.7,57.2 36.9,57.6 38.5,57.6 4.172,58.1 9.172,58.1 14.172,58.1 24.172,58.1 29.172,58.1 49.172,58.1 38.6,60.76 1.672,63.1 31.672,63.1 23.176,65.09 25.4,65.09 21,65.11 4.172,68.1 9.172,68.1 14.172,68.1 34.172,68.1 36.2,69 37.8,69 32.2,69.59 13.9,70.4 30.1,70.4 13.9,71.6 30.1,71.6 40,71.8 41,71.8 42,71.8 40,72.8 42,72.8 1.672,73.1 11.672,73.1 16.672,73.1 36.672,73.1 40,73.8 41,73.8 42,73.8 4.172,78.1 9.172,78.1 14.172,78.1 19.172,78.1 24.172,78.1 29.172,78.1 34.172,78.1 49.172,78.1 32.2,78.8 13.9,79.4 30.1,79.4 13.9,80.6 30.1,80.6
IO6/SDA: AC1.6 R23.1 U1.15 U2.1.20 U2.2.20 U2.3.20 U2.4.20 U2.5.20 | length 103.4
  L1_Top (Sig) w0.2: R23.1@15.25,33.2 15.975,33.2 16.349,32.826 16.349,32.251 v1(16.8,31.8) 18.24,30.36 18.24,30.01 U2.3.20@18.3,29.95 ; v1(16.8,10.3) 16.8,10.195 18.3,8.695 U2.1.20@18.3,8.45 ; v1(16.8,20.3) 16.8,20.195 18.3,18.695 U2.2.20@18.3,18.45 ; v1(16.8,43.3) 16.8,43.195 18.3,41.695 U2.4.20@18.3,41.45 ; v1(16.8,54.8) 16.8,54.695 18.3,53.195 U2.5.20@18.3,52.95 ; v1(28.1,36.3) AC1.6@29.9,36.3 ; v1(38.6,66.6) 38.6,67.3 U1.15@38.6,67.9
  L4 (Sig) w0.2: v1(16.8,10.3) v1(16.8,20.3) v1(16.8,31.8) v1(16.8,54.8) 16.8,55.949 22.551,61.7 27.501,61.7 32.701,66.9 33.173,66.9 33.473,67.2 38,67.2 v1(38.6,66.6)
  L6_Bottom (Sig) w0.2: v1(16.8,31.8) 17.352,31.8 18.651,33.1 23.073,33.1 26.273,36.3 v1(28.1,36.3)